# KiCad board middle.kicad_pcb (continued)
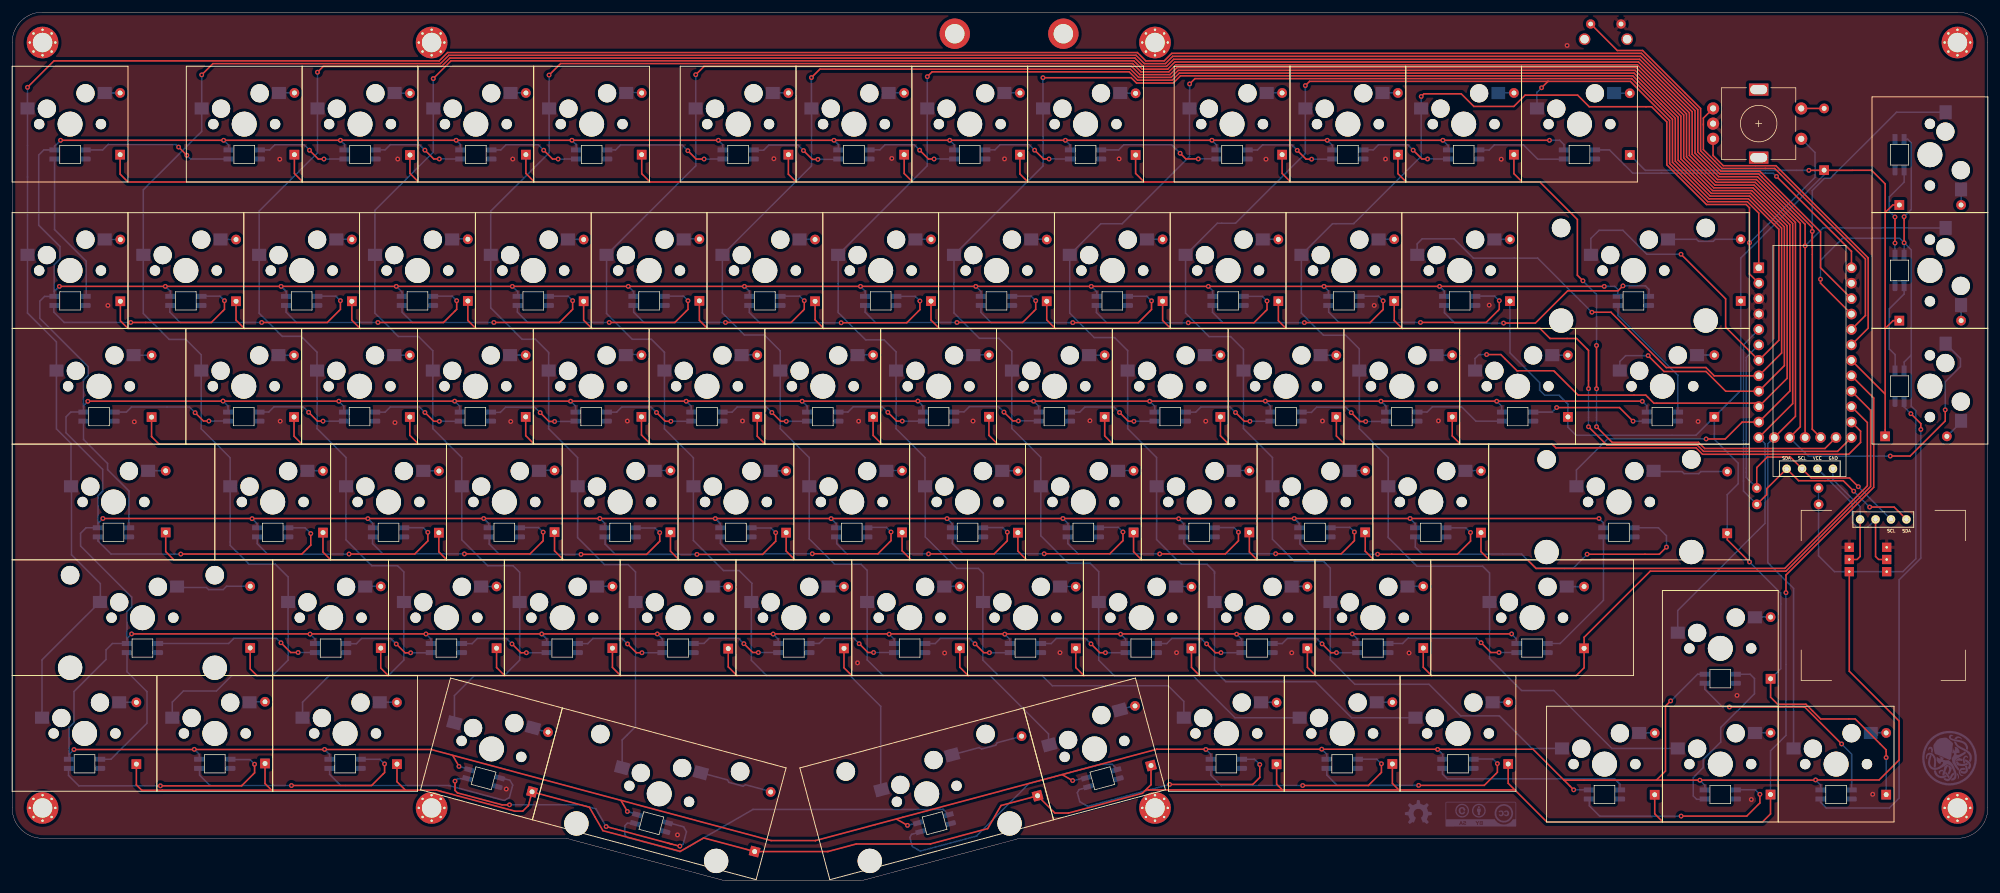
[diagram p0: board, top side]
## Routing (per net, layer and track width the routed paths; a pad name or vN(x,y) marks a point on that pad's centre or on a via; arc(x,y) is an arc through that point) (continued)
col08: length 383.3
  Top w0.254: 287.31,83.13 291.08,86.9 291.08,107.44 285.8,112.72 279.32,112.72 273.59,118.45 273.59,125.52 271.16,127.95 271.16,127.95 266.6,132.51 192.18,132.51 191,131.33 184.96,131.33 184.08,132.21 v1(169.57,132.21) ; 287.35,83.13 279.99,83.13 278.62,84.5 272.1,84.5 263,93.6 259.87,93.6 v1(259.87,93.6)
  Bottom w0.254: v1(169.57,132.21) 169.57,127.15 ; KD8.1 169.21,56.81 173.75,52.27 177.35,52.27 178.74,50.88 KE8.1 178.74,36.33 181.34,33.73 194.28,33.73 201.17,26.85 KF8.1 ; KA8.1 169.57,117.68 154.94,103.05 ; KC8.1 164.45,74.46 169.21,69.7 169.21,64.95 ; KB8.1 154.93,93.5 159.12,89.3 162.33,89.3 164.45,87.18 164.45,83.99 ; KB12.1 231.12,104.86 231.95,105.69 237.19,105.69 240.36,102.51 250.95,102.51 v1(259.87,93.6)
col09: length 334.6
  Top w0.254: 287.3,85.66 290.62,88.99 290.62,107.26 285.62,112.27 279.12,112.27 273.12,118.27 273.12,125.35 266.41,132.06 266.41,132.06 194.57,132.06 v1(193.69,131.18) ; U0.7 281.86,91.14 281.86,95.81 v1(274.52,103.15)
  Bottom w0.254: 183.5,83.99 183.5,87.29 181.36,89.43 178,89.43 173.98,93.45 KB9.1 173.98,103.06 179.08,108.16 182.59,108.16 193.68,119.25 KA9.1 ; 197.79,50.65 KE9.1 197.79,34.65 199.64,32.79 214.4,32.79 220.34,26.85 KF9.1 ; 197.79,50.65 197.79,50.9 196.57,52.12 192.33,52.12 188.26,56.19 KD9.1 ; 197.79,50.65 197.79,50.77 ; KB13.1 259.7,105.75 261.04,107.08 264.97,107.08 268.91,103.15 v1(274.52,103.15) ; 188.26,64.96 188.26,69.69 183.5,74.45 KC9.1 ; v1(193.69,131.18) 193.69,127.16
col10: length 265.5
  Top w0.254: U0.1 287.32,109.92 285.44,111.8 278.92,111.8 272.65,118.07 272.65,125.15 266.19,131.61 252.64,131.61 ; v1(251.59,130.55) 252.64,131.61 252.64,131.61 ; 252.64,131.61 213.43,131.61 v1(212.73,130.91)
  Bottom w0.254: v1(212.73,130.91) 212.73,127.14 ; 193.04,103.05 198.25,108.25 201.24,108.25 212.73,119.73 KA10.1 ; KA12.1 250.82,129.79 v1(251.59,130.55) ; KB10.1 193.03,93.45 196.9,89.58 200.46,89.58 202.55,87.49 202.55,83.99 ; KC10.1 202.55,74.45 207.32,69.68 207.32,64.96 ; KF10.1 250.01,21.8 244.65,27.15 238.28,27.15 233.07,32.36 220.87,32.36 216.84,36.39 KE10.1 216.84,51.49 215.75,52.58 210.97,52.58 207.31,56.24 KD10.1
col11: length 264.7
  Top w0.254: v1(231.79,129.12) 232.23,129.56 238.37,129.56 240.45,127.48 247.03,127.48 248.89,129.34 257.52,129.34 259.43,127.43 269.69,127.43 272.19,124.93 272.19,117.87 278.72,111.34 285.24,111.34 285.79,110.79 v1(285.79,105.03) 285.79,99.91 U0.2
  Bottom w0.254: 221.61,84.35 221.61,74.44 226.36,69.69 226.36,64.93 ; v1(231.79,129.12) 231.79,127.15 ; KA11.1 231.78,119.28 220.68,108.18 217.2,108.18 212.06,103.05 ; 221.6,84 221.6,87.57 219.35,89.81 215.71,89.81 212.07,93.45 KB11.1 ; SW99.S1 296.57,119.88 296.57,115.81 v1(285.79,105.03) ; KD11.1 226.36,56.52 231.09,51.79 241.91,51.79 243.03,50.67 KE11.1 243.03,36.6 248.3,31.33 253.61,31.33 263.14,21.8 KF11.1
ENCA: length 54.1
  Top w0.254: 279.81,127.16 278.2,125.55 278.2,120.36 281.29,117.27 289.95,117.27 304.86,102.36 304.86,93.06 U0.20
ENCB: length 50.7
  Top w0.254: 279.8,122.15 279.8,119.4 281.48,117.72 290.14,117.72 305.31,102.55 305.31,90.98 U0.19
OledPin1: length 18.2
  Top w0.254: 303.49,52.9 302.23,52.9 ; 303.55,52.96 303.99,53.4 J1.1
  Bottom w0.254: 303.99,59.51 303.99,61.59 299.52,66.06 J2.1
OledPin2: length 23.9
  Top w0.254: J1.2 306.53,53.4 306.97,52.96 ; 307.03,52.9 308.29,52.9
  Bottom w0.254: 306.54,59.5 305.26,58.22 303.46,58.22 302.72,58.96 302.72,62.09 J2.2
RESET: length 69.2
  Top w0.254: U0.22 297.48,100.92 297.48,106.83 287.49,116.82 281.1,116.82 277.75,120.17 277.75,127.14 268.2,136.69 264.04,136.69 259.68,141.05
RGB: length 51.8
  Top w0.254: v1(290.23,115.96) 302.55,103.63 302.56,103.63 302.56,100.94
  Bottom w0.254: KA12.5 262.77,120.32 266.58,116.51 289.68,116.51 v1(290.23,115.96)
row00: length 378.7
  Top w0.254: DA3.1 84.51,116.45 85.92,115.04 ; 167.1,115.04 186.22,115.04 ; 167.1,115.04 165.78,116.36 DA7.1 ; 167.1,115.04 148.13,115.04 ; 186.22,115.04 210.32,115.04 ; 186.22,115.04 184.81,116.45 DA8.1 ; 66.85,115.04 65.44,116.45 DA2.1 ; 66.85,115.04 47.82,115.04 ; 66.85,115.04 85.92,115.04 ; 47.82,115.04 19.06,115.04 17.76,116.34 DA0.1 ; 47.82,115.04 46.43,116.43 DA1.1 ; 210.32,115.04 208.91,116.45 DA9.1 ; 210.32,115.04 229.33,115.04 ; v1(258.39,98.78) 257.48,99.69 257.48,108.86 251.3,115.04 248.41,115.04 ; DA4.1 103.56,116.41 104.93,115.04 ; 85.92,115.04 104.93,115.04 ; 229.33,115.04 248.41,115.04 ; 229.33,115.04 227.96,116.41 DA10.1 ; 248.41,115.04 247.04,116.41 DA11.1 ; 128.97,115.04 148.13,115.04 ; 128.97,115.04 127.69,116.32 DA5.1 ; 128.97,115.04 104.93,115.04 ; 148.13,115.04 146.73,116.44 DA6.1 ; v1(260.63,88.14) v1(260.63,81) ; v1(260.63,74.75) 263.2,72.18 277.4,72.18 278.41,71.17 298.21,71.17 U0.29
  Bottom w0.254: v1(258.39,98.78) 260.63,96.54 v1(260.63,88.14) ; v1(260.63,81) v1(260.63,74.75)
row01: length 360.9
  Top w0.254: 190.57,90.93 209.56,90.93 ; 190.57,90.93 189.25,92.25 DB9.1 ; 190.57,90.93 171.59,90.93 ; 209.56,90.93 208.29,92.2 DB10.1 ; 209.56,90.93 228.67,90.93 ; 152.53,90.93 151.15,92.31 DB7.1 ; 152.53,90.93 133.5,90.93 ; 152.53,90.93 171.59,90.93 ; 228.67,90.93 251.33,90.93 252.98,89.28 257.35,89.28 259.31,87.32 v1(259.31,81.02) ; 228.67,90.93 227.35,92.25 DB11.1 ; DB4.1 94.01,92.29 95.37,90.93 ; DB6.1 132.08,92.35 133.5,90.93 ; 114.38,90.93 113.05,92.26 DB5.1 ; 114.38,90.93 95.37,90.93 ; 114.38,90.93 133.5,90.93 ; 38.2,90.93 36.83,92.3 DB1.1 ; 38.2,90.93 19.05,90.93 17.8,92.18 DB0.1 ; 38.2,90.93 57.24,90.93 ; 76.28,90.93 74.96,92.25 DB3.1 ; 76.28,90.93 57.24,90.93 ; 76.28,90.93 95.37,90.93 ; 171.59,90.93 170.19,92.33 DB8.1 ; 57.24,90.93 55.88,92.29 DB2.1 ; v1(259.31,74.75) 262.33,71.73 277.2,71.73 278.23,70.7 300.28,70.7 U0.13
  Bottom w0.254: v1(259.31,74.75) v1(259.31,81.02)
row02: length 345.8
  Top w0.254: 123.85,71.9 143.05,71.9 ; 123.85,71.9 105.02,71.9 ; 123.85,71.9 122.57,73.18 DC5.1 ; 143.05,71.9 141.63,73.32 DC6.1 ; 143.05,71.9 162.11,71.9 ; 219.17,71.9 217.83,73.24 DC10.1 ; 219.17,71.9 238.24,71.9 ; 219.17,71.9 200.12,71.9 ; 22.93,76.34 22.93,73.13 24.16,71.9 47.66,71.9 ; DC4.1 103.52,73.4 105.02,71.9 ; 47.66,71.9 66.85,71.9 ; 47.66,71.9 46.37,73.19 DC1.1 ; 85.87,71.9 105.02,71.9 ; 85.87,71.9 84.48,73.29 DC3.1 ; 85.87,71.9 66.85,71.9 ; 238.24,71.9 236.89,73.25 DC11.1 ; 238.24,71.9 253.32,71.9 253.95,71.27 277.02,71.27 278.07,70.22 302.11,70.22 304.06,72.17 304.06,74.02 U0.14 ; 162.11,71.9 160.68,73.33 DC7.1 ; 162.11,71.9 181.07,71.9 ; DC9.1 198.76,73.26 200.12,71.9 ; DC8.1 179.72,73.25 181.07,71.9 ; 181.07,71.9 200.12,71.9 ; DC2.1 65.41,73.34 66.85,71.9
row03: length 360
  Top w0.254: 52.41,52.83 71.52,52.83 ; 52.41,52.83 51.13,54.11 DD1.1 ; 52.41,52.83 26.63,52.83 25.26,54.2 25.26,57.35 ; 71.52,52.83 70.19,54.16 DD2.1 ; 71.52,52.83 90.71,52.83 ; 128.78,52.83 147.89,52.83 ; 128.78,52.83 127.32,54.29 DD5.1 ; 128.78,52.83 109.73,52.83 ; 147.89,52.83 166.89,52.83 ; 147.89,52.83 146.39,54.33 DD6.1 ; 90.71,52.83 89.22,54.32 DD3.1 ; 90.71,52.83 109.73,52.83 ; DD11.1 241.62,54.2 242.99,52.83 ; 185.81,52.83 184.47,54.17 DD8.1 ; 185.81,52.83 166.89,52.83 ; 185.81,52.83 204.83,52.83 ; 166.89,52.83 165.44,54.28 DD7.1 ; 109.73,52.83 108.29,54.27 DD4.1 ; 224.01,52.83 222.58,54.26 DD10.1 ; 224.01,52.83 242.99,52.83 ; 224.01,52.83 204.83,52.83 ; DD9.1 203.52,54.14 204.83,52.83 ; 242.99,52.83 249.28,52.83 250.67,51.43 291.6,51.43 305.18,65.02 305.18,75.44 U0.15
row04: length 353.8
  Top w0.254: 100.09,33.79 119.23,33.79 ; 100.09,33.79 98.75,35.13 DE3.1 ; 100.09,33.79 81.01,33.79 ; 119.23,33.79 138.12,33.79 ; 119.23,33.79 117.8,35.22 DE4.1 ; U0.16 305.71,77.45 305.71,64.91 291.78,50.98 269.47,50.98 258.58,40.09 DE11.1 258.58,35.07 257.3,33.79 233.49,33.79 ; 214.43,33.79 233.49,33.79 ; 214.43,33.79 213.07,35.15 DE9.1 ; 214.43,33.79 195.35,33.79 ; 233.49,33.79 232.13,35.15 DE10.1 ; DE0.1 39.16,34.89 40.26,33.79 61.87,33.79 ; 61.87,33.79 81.01,33.79 ; 61.87,33.79 60.64,35.02 DE1.1 ; 81.01,33.79 79.69,35.11 DE2.1 ; DE8.1 194,35.14 195.35,33.79 ; 176.29,33.79 195.35,33.79 ; 176.29,33.79 157.27,33.79 ; 176.29,33.79 174.97,35.11 DE7.1 ; 138.12,33.79 136.84,35.07 DE5.1 ; 138.12,33.79 157.27,33.79 ; DE6.1 155.89,35.17 157.27,33.79
row05: length 400.6
  Top w0.254: 162.67,12.41 160.47,8.6 ; 168.74,14.03 162.69,12.41 ; 85.55,14.64 94.95,12.12 ; v1(291.79,47.44) 291.79,50.35 306.22,64.78 306.22,79.48 U0.17 ; 42.68,14.94 41.6,16.01 DF1.1 ; 85.53,14.66 84.92,12.38 84.9,12.38 83.99,11.47 82.7,11.47 70.52,14.73 ; 69.8,14.93 24.71,14.93 24.69,14.91 21.32,14.91 21.32,14.91 20.43,15.8 20.43,19.22 ; 70.57,14.72 69.8,14.93 ; 247.15,15 252.48,9.67 271.57,9.67 ; 247.15,15 246.1,16.05 DF9.1 ; 247.15,15 247.11,14.97 228.23,14.97 ; 271.57,9.67 270.2,11.04 DF10.1 ; 271.57,9.67 287.9,9.67 289.25,11.02 289.25,14.2 ; 208.95,14.97 186.95,14.97 186.95,14.96 186.48,14.96 ; 208.95,14.97 228.23,14.97 ; 208.95,14.97 208,15.92 DF7.1 ; 228.23,14.97 228.11,14.97 227.05,16.03 DF8.1 ; 186.48,14.96 185.93,14.42 173.75,11.16 171.53,11.16 DF5.1 ; 186.48,14.96 187.34,15.83 DF6.1 ; 113.75,7.07 109.91,4.85 97.18,8.26 ; DF2.1 63.3,16.32 64.68,14.94 ; 160.47,8.6 151.05,6.08 151.04,6.07 138.86,6.07 134.19,4.83 134.19,4.82 DF4.1 113.77,7.06 ; 94.95,12.12 97.18,8.26
  Bottom w0.254: v1(291.79,47.44) 291.8,47.43 291.8,23.95 289.25,21.41 DF11.1
row06: length 281.3
  Top w0.254: 308.11,110.01 309.36,111.26 310.45,111.26 ; 308.11,110.01 308.11,114.73 305.87,116.97 302.79,116.97 ; 308.11,110.01 308.11,90.92 ; v1(295.56,116.96) 298.08,116.96 ; 310.45,92.22 309.41,92.22 308.11,90.92 ; 308.11,90.92 308.11,73.18 ; U0.18 308.11,80.13 ; 282.14,57.22 282.14,56.15 v1(285.8,52.49) ; v1(308.27,20.3) 308.27,21.56 303.18,26.65 297.49,26.65 295.07,29.07 290.42,29.07 289.26,30.23 DE12.1 ; 302.79,116.96 298.79,116.96
  Bottom w0.254: v1(295.56,116.96) 268.64,116.96 266.1,119.5 ; 308.28,14.21 308.27,14.22 v1(308.27,20.3) ; 298.07,117 298.07,116.24 284.35,102.52 DB13.1 284.35,80.72 DC13.1 280.01,72.69 283.93,68.77 283.93,65.37 282.13,63.57 DD12.1 ; DE12.1 290.94,34.94 290.94,47.35 v1(285.8,52.49) ; 280.01,76.38 276.99,73.35 257.25,73.35 255.92,74.68 DC12.1 255.92,78.47 254.45,79.94 252.09,79.94 251.26,80.77 251.26,82.04 246.39,86.91 DB12.1
SCL: length 55.6
  Top w0.254: 286.99,64.65 286.99,68.04 288.72,69.77 292.51,69.77 294.45,67.83 ; v1(303.69,64.88) 302.25,66.32 295.95,66.32 J2.3
  Bottom w0.254: v1(303.69,64.88) J1.3 ; R2.1 285.26,66.4 285.26,86.16 U0.6
SDA: length 61.8
  Top w0.254: 287.01,61.97 288.64,63.6 288.64,64.57 J2.4 293.86,65.87 301.22,65.87 v1(302.94,64.15) ; v1(305.56,61.53) 309.59,61.53 311.62,59.5
  Bottom w0.254: R1.1 284.8,64.17 284.8,88.25 U0.5 ; v1(302.94,64.15) v1(305.56,61.53)
Net-(DA0-Pad2): length 3
  Bottom w0.254: 14.81,129.69 17.8,129.69
Net-(DA1-Pad2): length 3
  Bottom w0.254: 43.96,129.71 46.95,129.71
Net-(DA2-Pad2): length 3
  Bottom w0.254: 63.01,129.68 66,129.68
Net-(DA3-Pad2): length 3
  Bottom w0.254: 82.01,129.71 85,129.71
Net-(DA4-Pad2): length 3
  Bottom w0.254: 101.04,129.77 104.03,129.77
Net-(DA5-Pad2): length 3
  Bottom w0.254: 124.85,129.7 127.84,129.7
Net-(DA6-Pad2): length 3
  Bottom w0.254: 143.86,129.72 146.85,129.72
Net-(DA7-Pad2): length 3
  Bottom w0.254: 162.91,129.72 165.9,129.72
Net-(DA8-Pad2): length 3
  Bottom w0.254: 182.06,129.66 185.05,129.66
Net-(DA9-Pad2): length 3
  Bottom w0.254: 205.84,129.7 208.83,129.7
Net-(DA10-Pad2): length 3
  Bottom w0.254: 224.74,129.72 227.73,129.72
Net-(DA11-Pad2): length 3
  Bottom w0.254: 243.92,129.72 246.91,129.72
Net-(DA12-Pad2): length 3
  Bottom w0.254: 263,129.66 265.99,129.66
Net-(DB0-Pad2): length 2.6
  Bottom w0.254: KB0.2 17.78,105.59
Net-(DB1-Pad2): length 3
  Bottom w0.254: 34.1,105.58 37.09,105.58
Net-(DB2-Pad2): length 3
  Bottom w0.254: 53.24,105.61 56.23,105.61
Net-(DB3-Pad2): length 3
  Bottom w0.254: 72.27,105.68 75.26,105.68
Net-(DB4-Pad2): length 3
  Bottom w0.254: 91.31,105.59 94.3,105.59
Net-(DB5-Pad2): length 3
  Bottom w0.254: 110.37,105.66 113.36,105.66
Net-(DB6-Pad2): length 3
  Bottom w0.254: 129.41,105.61 132.4,105.61
Net-(DB7-Pad2): length 3
  Bottom w0.254: 148.52,105.61 151.51,105.61
Net-(DB8-Pad2): length 3
  Bottom w0.254: 167.49,105.63 170.48,105.63
Net-(DB9-Pad2): length 3
  Bottom w0.254: 186.6,105.61 189.59,105.61
Net-(DB10-Pad2): length 3
  Bottom w0.254: 205.66,105.61 208.65,105.61
Net-(DB11-Pad2): length 3
  Bottom w0.254: 224.66,105.64 227.65,105.64
Net-(DB12-Pad2): length 3
  Bottom w0.254: 243.79,105.59 246.78,105.59
Net-(DB13-Pad2): length 12.1
  Bottom w0.254: 272.41,105.61 277.08,105.61 277.42,105.27 279.82,105.27 280.16,105.61 284.22,105.61
Net-(DC0-Pad2): length 3
  Bottom w0.254: 19.93,86.52 22.92,86.52
Net-(DC1-Pad2): length 3
  Bottom w0.254: 43.68,86.54 46.67,86.54
Net-(DC2-Pad2): length 3
  Bottom w0.254: 62.7,86.53 65.69,86.53
Net-(DC3-Pad2): length 3
  Bottom w0.254: 81.86,86.56 84.85,86.56
Net-(DC4-Pad2): length 3
  Bottom w0.254: 101.01,86.64 104,86.64
Net-(DC5-Pad2): length 3
  Bottom w0.254: 120.05,86.57 123.04,86.57
Net-(DC6-Pad2): length 3
  Bottom w0.254: 139.08,86.57 142.07,86.57
Net-(DC7-Pad2): length 3
  Bottom w0.254: 158,86.57 160.99,86.57
Net-(DC8-Pad2): length 3
  Bottom w0.254: 177.05,86.54 180.04,86.54
Net-(DC9-Pad2): length 3
  Bottom w0.254: 196.14,86.52 199.13,86.52
Net-(DC10-Pad2): length 3
  Bottom w0.254: 215.18,86.55 218.17,86.55
Net-(DC11-Pad2): length 3
  Bottom w0.254: 234.25,86.54 237.24,86.54
Net-(DC12-Pad2): length 3
  Bottom w0.254: 253.29,86.54 256.28,86.54
Net-(DC13-Pad2): length 3
  Bottom w0.254: 277.02,86.56 280.01,86.56
Net-(DD0-Pad2): length 3
  Bottom w0.254: 22.26,67.52 25.25,67.52
Net-(DD1-Pad2): length 3
  Bottom w0.254: 48.34,67.52 51.33,67.52
Net-(DD2-Pad2): length 3
  Bottom w0.254: 67.44,67.48 70.43,67.48
Net-(DD3-Pad2): length 3
  Bottom w0.254: 86.5,67.59 89.49,67.59
Net-(DD4-Pad2): length 3
  Bottom w0.254: 105.52,67.55 108.51,67.55
Net-(DD5-Pad2): length 3
  Bottom w0.254: 124.55,67.5 127.54,67.5
Net-(DD6-Pad2): length 3
  Bottom w0.254: 143.6,67.55 146.59,67.55
Net-(DD7-Pad2): length 3
  Bottom w0.254: 162.62,67.51 165.61,67.51
Net-(DD8-Pad2): length 3
  Bottom w0.254: 181.65,67.54 184.64,67.54
Net-(DD9-Pad2): length 3
  Bottom w0.254: 200.73,67.54 203.72,67.54
Net-(DD10-Pad2): length 3
  Bottom w0.254: 219.77,67.55 222.76,67.55
Net-(DD11-Pad2): length 3
  Bottom w0.254: 238.92,67.54 241.91,67.54
Net-(DD12-Pad2): length 12.4
  Bottom w0.254: 270.03,67.37 274.69,67.37 ; 274.7,67.37 275.04,67.03 277.44,67.03 277.78,67.37 277.78,67.37 DD12.2
Net-(DD13-Pad2): length 2.6
  Bottom w0.254: 320.59,111.23 320.59,113.82
Net-(DE0-Pad2): length 12.2
  Bottom w0.254: DE0.2 35.26,48.5 34.71,47.95 32.31,47.95 31.97,48.29 ; 27.3,48.29 31.96,48.29
Net-(DE1-Pad2): length 3
  Bottom w0.254: 57.85,48.49 60.84,48.49
Net-(DE2-Pad2): length 3
  Bottom w0.254: 76.89,48.46 79.88,48.46
Net-(DE3-Pad2): length 3
  Bottom w0.254: 95.97,48.5 98.96,48.5
Net-(DE4-Pad2): length 3
  Bottom w0.254: 115.02,48.44 118.01,48.44
Net-(DE5-Pad2): length 3
  Bottom w0.254: 134.07,48.49 137.06,48.49
Net-(DE6-Pad2): length 3
  Bottom w0.254: 153.11,48.48 156.1,48.48
Net-(DE7-Pad2): length 3
  Bottom w0.254: 172.17,48.46 175.16,48.46
Net-(DE8-Pad2): length 3
  Bottom w0.254: 191.22,48.46 194.21,48.46
Net-(DE9-Pad2): length 3
  Bottom w0.254: 210.36,48.47 213.35,48.47
Net-(DE10-Pad2): length 3
  Bottom w0.254: 229.25,48.5 232.24,48.5
Net-(DE11-Pad2): length 2.9
  Bottom w0.254: KE11.2 258.59,48.44
Net-(DE12-Pad2): length 3
  Bottom w0.254: 286.5,43.44 289.49,43.44
Net-(DE13-Pad2): length 2.6
  Bottom w0.254: 320.6,92.2 320.6,94.81
Net-(DF0-Pad2): length 3
  Bottom w0.254: 17.46,29.4 20.45,29.4
Net-(DF1-Pad2): length 3
  Bottom w0.254: 38.86,29.48 41.85,29.48
Net-(DF2-Pad2): length 3
  Bottom w0.254: 60.32,29.41 63.31,29.41
Net-(DF3-Pad2): length 3
  Bottom w0.254: 85.47,25.14 88.36,24.37
Net-(DF4-Pad2): length 12.1
  Bottom w0.254: 120.64,15.82 124.56,14.77 ; 117.66,16.62 117.9,16.2 120.22,15.58 120.64,15.82 ; 113.15,17.83 117.65,16.62
Net-(DF5-Pad2): length 12.1
  Bottom w0.254: 154.55,20.73 159.05,21.94 ; 159.06,21.94 159.48,21.7 161.8,22.32 162.04,22.74 165.96,23.79
Net-(DF6-Pad2): length 3
  Bottom w0.254: 182.15,28.18 185.04,28.95
Net-(DF7-Pad2): length 2.6
  Bottom w0.254: KF7.2 208,29.39
Net-(DF8-Pad2): length 3
  Bottom w0.254: 224.29,29.42 227.28,29.42
Net-(DF9-Pad2): length 3
  Bottom w0.254: 243.33,29.42 246.32,29.42
Net-(DF10-Pad2): length 3
  Bottom w0.254: 267.43,24.35 270.42,24.35
Net-(DF11-Pad2): length 3
  Bottom w0.254: 286.51,24.37 289.5,24.37
Net-(DF12-Pad2): length 3
  Bottom w0.254: 305.51,24.39 308.5,24.39
Net-(DF13-Pad2): length 3.5
  Bottom w0.254: KF13.2 320.59,75.5 DF13.2

## Copper pours and planes (outline as drawn; the poured copper is in the pictures)
GND on Top: 327,-3 -2,-3 -2,145 327,145
GND on Bottom: 327,-3 -2,-3 -2,145 327,145

## Text on the board
B.Silkscreen: VCC | GND | Kanagawa by Ciaanh - rev1
